# Altium PCB R2C2_Mini.PcbDoc (part 3 of 3)
Units mm, origin at the board's own origin, x right, y up, seen from the top; angles counter-clockwise.
Board outline 100 x 100 mm, 4 copper layers (Top Layer, Mid-Layer 1, Mid-Layer 2, Bottom Layer), stack 1.572 mm thick; 230 components, 186 nets, 773 pads, 549 vias.
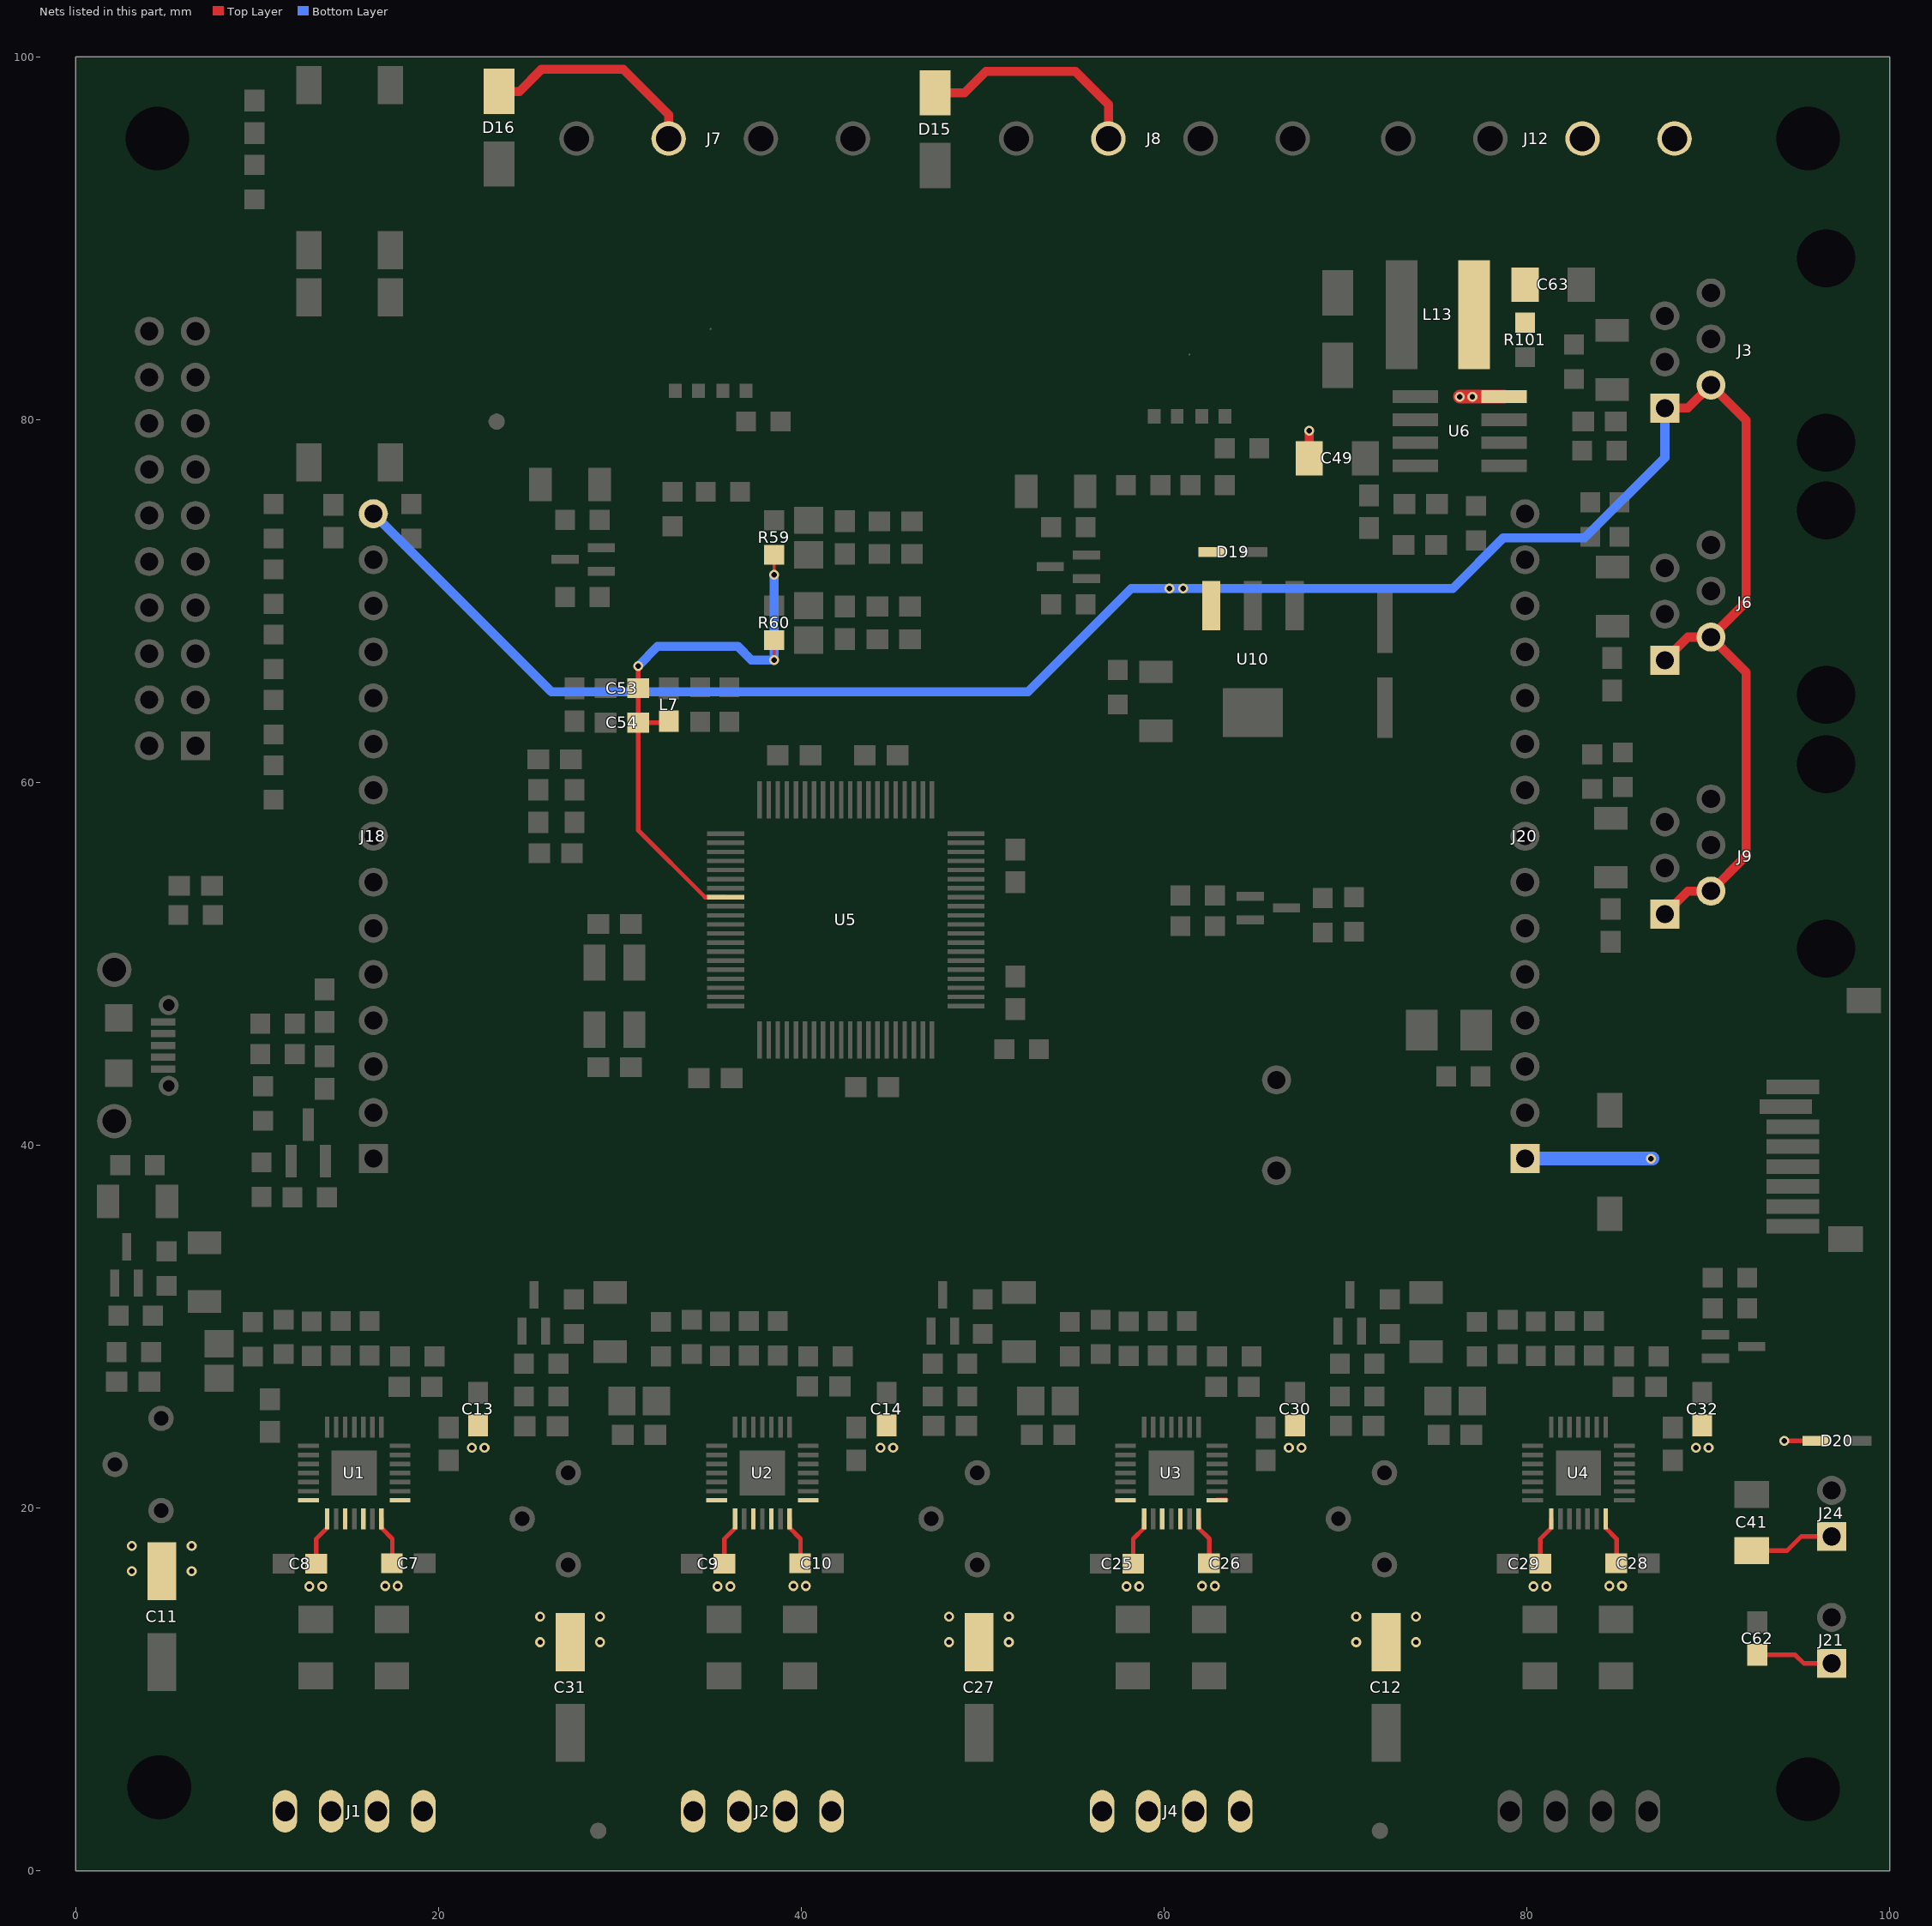
[diagram p5: the nets of this part, all layers, seen from the top]

## Via types
v1: diameter 0.55, hole 0.3, Top Layer to Bottom Layer, tented top, 513 vias
v2: diameter 0.55, hole 0.3, Top Layer to Bottom Layer, 36 vias

## Nets (pads, with @x,y where several pads share a name; then routed paths per layer and width w, separated by ;. In a path a pad name is that pad's centre, name@x,y a point inside that pad or via, vN(x,y) a via of type N, cw(c..) or ccw(c..) an arc to the next point about the centre after c; other vN are vias at no path point) (continued)
V5: C63.2 D19.1 J3.1 J3.2 J6.1 J6.2 J9.1 J9.2 J18.15 L13.2 R101.2 U10.3 | length 123.7
  Top Layer w0.5: J9.1@87.61,52.745 88.88,54.015 J9.2@90.15,54.015 92.1,55.965 92.1,66.065 J6.2@90.15,68.015 ; J6.1@87.61,66.745 88.88,68.015 J6.2@90.15,68.015 ; J3.1@87.61,80.645 88.88,80.645 J3.2@90.15,81.915 92.1,79.965 92.1,69.965 J6.2@90.15,68.015
  Bottom Layer w0.5: J18.15@16.4,74.82 26.22,65 52.5,65 58.2,70.7 v1(61.05,70.7) 75.915,70.7 78.698,73.482 81,73.482 81.29,73.482 83.182,73.482 87.61,77.91 J3.1@87.61,80.645
  other v1: 60.3,70.7
VA3.3: C53.2 C54.2 L7.2 R59.2 R60.2 U5.8 | length 32.2
  Top Layer w0.15: v1(38.5,66.75) R60.2@38.5,67.85 ; v1(38.5,71.45) R59.2@38.5,72.55
  Top Layer w0.25: C53.2@31,65.2 C54.2@31,63.3 ; C53.2@31,65.225 v1(31,66.425) ; L7.2@32.62,63.3 C54.2@31,63.3 ; U5.8@35.825,53.675 34.694,53.675 31,57.369 C54.2@31,63.3
  Bottom Layer w0.5: v1(31,66.425) 32.075,67.5 36.5,67.5 37.25,66.75 v1(38.5,66.75) v1(38.5,71.45)
VMM: C7.1 C8.2 C9.2 C10.2 C11.1 C12.1 C13.2 C14.2 C25.2 C26.2 C27.1 C28.2 C29.2 C30.2 C31.1 C32.2 C41.2 C49.2 C62.2 D15.1 D16.1 D20.1 J7.3 J8.3 J12.1 J12.2 J20.1 J21.1 J24.1 U1.22 U1.28 U2.22 U2.28 U3.22 U3.28 U4.22 U4.28 U6.8 | length 68.5
  Top Layer w0.25: C8.2@13.25,16.925 13.25,18.3 13.85,18.9 U1.22@13.85,19.408 ; U1.28@16.85,19.408 16.85,18.9 17.45,18.3 17.45,16.975 C7.1@17.425,16.95 ; C9.2@35.755,16.925 35.755,18.3 36.355,18.9 U2.22@36.355,19.408 ; U2.28@39.355,19.408 39.355,18.9 39.955,18.3 39.955,16.975 C10.2@39.93,16.95 ; C25.2@58.3,16.925 58.3,18.3 58.9,18.9 U3.22@58.9,19.408 ; U3.28@61.9,19.408 61.9,18.9 62.5,18.3 62.5,16.975 C26.2@62.475,16.95 ; C29.2@80.745,16.925 80.745,18.3 81.345,18.9 U4.22@81.345,19.408 ; U4.28@84.345,19.408 84.345,18.9 84.945,18.3 84.945,16.975 C28.2@84.92,16.95 ; C41.2@92.4,17.65 94.35,17.65 95.13,18.43 J24.1@96.8,18.43 ; C62.2@92.7,11.9 94.8,11.9 95.27,11.43 J21.1@96.8,11.43 ; v1(94.2,23.7) D20.1@95.925,23.7
  Top Layer w0.5: D16.1@23.325,98.1 24.45,98.1 25.675,99.325 30.175,99.325 32.685,96.815 J7.3@32.685,95.5 ; D15.1@47.375,98.025 48.995,98.025 50.17,99.2 55.105,99.2 56.93,97.375 J8.3@56.93,95.5 ; C49.2@68,77.875 v1(68,79.4)
  Top Layer w0.75: v1(76.3,81.27) U6.8@78.75,81.27 ; J20.1@79.9,39.26 J20.1@79.909,39.269
  Bottom Layer w0.75: J20.1@79.9,39.26 v1@86.94,39.26
  other v1: 25.6,12.6 28.9,12.6 48.145,12.6 51.445,12.6 70.59,12.6 73.89,12.6 25.6,14 28.9,14 48.145,14 51.445,14 70.59,14 73.89,14 12.875,15.675 13.575,15.675 35.38,15.675 36.08,15.675 57.925,15.675 58.625,15.675 80.37,15.675 81.07,15.675 17.05,15.7 17.75,15.7 39.555,15.7 40.255,15.7 62.1,15.7 62.8,15.7 84.545,15.7 85.245,15.7 3.085,16.508 6.385,16.508 3.085,17.908 6.385,17.908 21.83,23.325 22.53,23.325 44.356,23.325 45.056,23.325 66.88,23.325 67.58,23.325 89.325,23.325 90.025,23.325 86.84,39.26 77,81.27
X_MOTOR_1A: J1.2 U1.24
X_MOTOR_1B: J1.1 U1.21
X_MOTOR_2A: J1.3 U1.26
X_MOTOR_2B: J1.4 U1.1
Y_MOTOR_1A: J2.2 U2.24
Y_MOTOR_1B: J2.1 U2.21
Y_MOTOR_2A: J2.3 U2.26
Y_MOTOR_2B: J2.4 U2.1
Z_MOTOR_1A: J4.2 U3.24
Z_MOTOR_1B: J4.1 U3.21 | length 0.5
  Top Layer w0.2: U3.21@57.382,20.433 U3.21@57.875,20.433
Z_MOTOR_2A: J4.3 U3.26
Z_MOTOR_2B: J4.4 U3.1 | length 0.5
  Top Layer w0.25: U3.1@62.925,20.433 U3.1@63.416,20.433
pads on no net: J3. J6. J9. J10.1 J10.8 J10.9@98.575,47.975 J11.5@4.814,44.2 J20.15 J22.11 J22.17 J22.19 MH1.0 MH2.0 MH3.0 MH4.0 U1.7 U1.20 U1.25 U2.7 U2.20 U2.25 U3.7 U3.20 U3.25 U4.7 U4.20 U4.25 U5.11 U5.13 U5.15 U6.2 U6.6 X2.2 X2.4

## Polygon pours and split planes (outlines as drawn)
STAR_GND on Mid-Layer 1 "Star_GND" (solid, remove dead copper, pour order 1006): 26.5,99.6 26.5,81.25 30.75,77 50.65,77 69.55,77 74.5,77 82.8,77 83.9,75.9 83.865,40.268 89.6,34.533 89.6,26.6 86.8,23.8 81.4,23.8 72.8,15.2 71.2,15.2 62.2,24.2 58.7,24.2 50,15.5 48.7,15.5 40,24.2 36.9,24.2 28.2,15.5 26.2,15.5 17.4,24.3 11.4,24.3 5.7,18.6 0,18.6 0,0 100,0 100,100 26.9,100
GND_A on Mid-Layer 1 "GND_A" (solid, remove dead copper, pour order 1005): 37.675,75.25 31.25,68.25 26.5,68.25 26.5,65.75 48,65.75 48,75.25 45.75,75.25
GND on Mid-Layer 1 "gnd mid 1" (solid, remove dead copper, pour order 1009): 0,0 100,0 100,100 0,100 0,0
STAR_GND on Top Layer "Top-Star_GND" (solid, remove dead copper, pour order 1016): 26.5,99.6 26.5,81.25 30.35,77.4 82.25,77.4 83.9,75.7 83.865,40.268 89.6,34.533 89.6,26.6 86.8,23.8 79,23.8 76.6,21.4 76.6,19.025 72.775,15.2 71.2,15.2 62.2,24.2 58.7,24.2 50,15.5 48.7,15.5 40,24.2 36.9,24.2 28.2,15.5 26.2,15.5 17.4,24.3 11.4,24.3 5.7,18.6 0,18.6 0,0 100,0 100,100 26.9,100
V3.3 on Top Layer "Top Layer-No Net" (solid, pour order 1003): 64,73.3 64.4,73.7 66.1,73.7 66.5,73.3 66.5,71.6 65.8,70.9 65.8,67.8 67.6,66 69.1,66 69.8,66.7 74.9,66.7 75.8,65.8 75.8,63.1 74.8,62.1 67.6,62.1 67.1,61.6 62.9,61.6 62.4,62.1 62.4,66.2 64,67.8
V5 on Top Layer "Top Layer-No Net" (solid, pour order 1002): 60.338,73.5 59.6,72.8 59.6,68.4 60.232,67.8 63.078,67.8 63.5,68.2 63.5,73 62.973,73.5
STAR_GND on Top Layer "Top-Star_GND" (solid, pour order 1004): 75.5,80.5 76.75,80.5 78.5,80.5 80.25,80.5 80.5,80.25 80.5,79.75 80.25,79.5 79.5,79.5 77.5,79.5 77.25,79.25 77.25,77.25 77.25,77 77.75,76.5 78.25,76 78.25,75.75 78.25,74.75 78,74.5 76.25,74.5 76,74.25 76,73.5 76,72.5 75.75,72.25 74.75,72.25 74.5,72.25 74.25,72.5 74.25,76 75.25,77 75.25,78 75,78.25 73,78.25 72.75,78.25 72.5,78.5 72.5,79 72.75,79.25 74.75,79.25 75,79.25 75.25,79.5 75.25,80.25 75.5,80.5
V5 on Top Layer "top-5V" (solid, pour order 1000): 75.75,84 75.75,90 77.25,91.5 80,91.5 91.75,91.5 93.5,89.75 93.5,87.75 93.5,83.5 90.5,80.5 89.75,80.5 88.75,81.5 88.75,82.25 89.5,83 89.75,83.25 90.5,83.25 91.5,84.25 91.5,86.75 91.5,88.25 90.25,89.5 82,89.5 81.25,88.75 81.25,85.75 81.25,85.5 80.25,84.5 79,84.5 78.5,84 78.5,83 78,82.5 76.5,82.5 76.25,82.5 75.75,83 75.75,84
GND on Top Layer "gnd top" (solid, remove dead copper, pour order 1017): 0,100 0,0 100,0 100,100
VMM on Top Layer "vmm_cap" (solid, remove dead copper, pour order 1014): 5.685,14.408 6.985,15.708 6.985,18.408 6.485,18.908 2.985,18.908 2.485,18.408 2.485,15.708 3.785,14.408
VMM on Top Layer "vmm_cap" (solid, remove dead copper, pour order 1013): 73.19,10.5 74.49,11.8 74.49,14.5 73.99,15 70.49,15 69.99,14.5 69.99,11.8 71.29,10.5
VMM on Top Layer "vmm_cap" (solid, remove dead copper, pour order 1012): 50.745,10.5 52.045,11.8 52.045,14.5 51.545,15 48.045,15 47.545,14.5 47.545,11.8 48.845,10.5
VMM on Top Layer "vmm_cap" (solid, remove dead copper, pour order 1011): 28.2,10.5 29.5,11.8 29.5,14.5 29,15 25.5,15 25,14.5 25,11.8 26.3,10.5
NetD12_1 on Top Layer "top-D12" (solid, pour order 1001): 74.5,89.25 74,89.75 68.5,89.75 67.75,89 67.75,85.75 68.5,85 71.25,85 71.75,84.5 71.75,81.5 72.5,80.75 75,80.75 75.5,81.25 75.5,82 74.5,82.75
STAR_GND on Bottom Layer "Star_GND" (solid, remove dead copper, pour order 1007): 26.5,99.6 26.5,81.25 35.45,72.3 69.667,72.3 78.467,81.1 81.033,81.1 83.865,78.268 83.865,40.268 89.6,34.533 89.6,26.6 86.8,23.8 81.4,23.8 72.8,15.2 71.2,15.2 62.2,24.2 58.7,24.2 50,15.5 48.7,15.5 40,24.2 36.9,24.2 28.2,15.5 26.2,15.5 17.4,24.3 11.4,24.3 5.7,18.6 0,18.6 0,0 100,0 100,100 26.9,100
GND on Bottom Layer "gnd bot" (solid, remove dead copper, pour order 1015): 0,100 0,0 100,0 100,100 0,100
V3.3 on Mid-Layer 2 "v3.3 mid 3" (solid, remove dead copper, pour order 1008): 82.7,76.8 83.7,75.8 83.7,40.2 86.2,37.7 86.2,30.1 81.2,24.3 0.442,24.3 0.41,24.332 0.41,98.99 0.4,99 0.4,99.6 7.5,99.6 15.1,92 15.1,76.5 19.4,72.2 69.8,72.2 74.4,76.8
VMM on Mid-Layer 2 "mid-VMM" (solid, remove dead copper, pour order 1010): 0,100 0,0 99.9,0 100,0.1 100,100

## Keep-outs
Keep-Out Layer:
  the board outline again, w0.5

## Other copper
Top Layer:
  pour cut-out: 5.3,48 5.1,47.8 5.6,47.3 5.6,43.8 10.9,43.8 10.9,48
  region net X_MOTOR_1A: 14.85,18.95 15.25,18.55 15.25,2.2 14.575,1.525 13.575,1.525 13.2,1.9 13.2,7.6 14.725,9.125 14.725,18.95
  region net X_MOTOR_2A: 15.975,18.975 15.875,18.975 15.45,18.55 15.45,2.2 16.125,1.525 17.2,1.525 17.575,1.9 17.575,7.525 15.975,9.125
  region net Y_MOTOR_1A: 37.35,18.95 37.755,18.545 37.755,2.2 37.08,1.525 36.08,1.525 35.705,1.9 35.705,7.6 37.23,9.125 37.23,18.95
  region net Y_MOTOR_2A: 38.48,18.975 38.375,18.975 37.955,18.555 37.955,2.2 38.63,1.525 39.705,1.525 40.08,1.9 40.08,7.525 38.48,9.125
  region net Z_MOTOR_1A: 59.9,18.95 60.3,18.55 60.3,2.2 59.625,1.525 58.625,1.525 58.25,1.9 58.25,7.6 59.775,9.125 59.775,18.95
  region net Z_MOTOR_2A: 61.025,18.975 60.925,18.975 60.5,18.55 60.5,2.2 61.175,1.525 62.25,1.525 62.625,1.9 62.625,7.525 61.025,9.125
  region net V3.3: 31.26,26.7 33.985,26.7 34.36,26.325 34.36,25.475 33.985,25.1 31.26,25.1
  region net V3.3: 53.805,26.7 56.53,26.7 56.905,26.325 56.905,25.475 56.53,25.1 53.805,25.1
  region net V3.3: 7.1,25.3 8.8,23.6 11.3,23.6 11.4,23.7 11.4,24.8 11.3,24.9 10.3,24.9 8.7,26.5 8.7,27.6 7.1,27.6
  region net V3.3: 76.25,26.7 78.975,26.7 79.35,26.325 79.35,25.475 78.975,25.1 76.25,25.1
  region net VMM: 21.624,25.15 22.724,25.15 22.724,23.706 22.905,23.525 22.905,22.9 22.805,22.8 21.555,22.8 21.455,22.9 21.455,23.525 21.63,23.7 21.624,23.706
  region net VMM: 44.15,25.15 45.25,25.15 45.25,23.706 45.431,23.525 45.431,22.9 45.331,22.8 44.081,22.8 43.981,22.9 43.981,23.525 44.156,23.7 44.15,23.706
  region net VMM: 66.674,25.15 67.774,25.15 67.774,23.706 67.955,23.525 67.955,22.9 67.855,22.8 66.605,22.8 66.505,22.9 66.505,23.525 66.68,23.7 66.674,23.706
  region net VMM: 89.119,25.15 90.219,25.15 90.219,23.706 90.4,23.525 90.4,22.9 90.3,22.8 89.05,22.8 88.95,22.9 88.95,23.525 89.125,23.7 89.119,23.706
  region net Z_MOTOR_2B: 63.5,20.55 66.7,17.35 66.7,3.725 64.5,1.525 63.6,1.525 63.25,1.875 63.25,4.85 65.7,7.3 65.7,17.051 62.35,20.375 62.35,20.5 62.4,20.55
  region net VMM: 63.1,17.5 63.1,15.5 62.9,15.3 62,15.3 61.8,15.5 61.8,17.425 61.875,17.5
  region net VMM: 58.925,17.475 58.925,15.475 58.725,15.275 57.825,15.275 57.625,15.475 57.625,17.4 57.7,17.475
  region net STAR_GND: 57.125,17.475 57.125,15.475 56.925,15.275 56.025,15.275 55.825,15.475 55.825,17.4 55.9,17.475
  region net STAR_GND: 64.9,17.5 64.9,15.5 64.7,15.3 63.8,15.3 63.6,15.5 63.6,17.425 63.675,17.5
  region net Z_MOTOR_1B: 58.4,20.55 58.45,20.5 58.45,20.375 55.05,16.975 55.05,7.05 57.55,4.55 57.55,1.9 57.175,1.525 56.225,1.525 54.05,3.7 54.05,17.25 57.35,20.55
  region net Y_MOTOR_1B: 35.855,20.55 35.905,20.5 35.905,20.375 32.505,16.975 32.505,7.05 35.005,4.55 35.005,1.9 34.63,1.525 33.68,1.525 31.505,3.7 31.505,17.25 34.805,20.55
  region net Y_MOTOR_2B: 40.955,20.55 44.155,17.35 44.155,3.725 41.955,1.525 41.055,1.525 40.705,1.875 40.705,4.85 43.155,7.3 43.155,17.051 39.805,20.375 39.805,20.5 39.855,20.55
  region net STAR_GND: 42.355,17.5 42.355,15.5 42.155,15.3 41.255,15.3 41.055,15.5 41.055,17.425 41.13,17.5
  region net STAR_GND: 34.58,17.475 34.58,15.475 34.38,15.275 33.48,15.275 33.28,15.475 33.28,17.4 33.355,17.475
  region net VMM: 36.38,17.475 36.38,15.475 36.18,15.275 35.28,15.275 35.08,15.475 35.08,17.4 35.155,17.475
  region net VMM: 40.555,17.5 40.555,15.5 40.355,15.3 39.455,15.3 39.255,15.5 39.255,17.425 39.33,17.5
  region net STAR_GND: 87.345,17.5 87.345,15.5 87.145,15.3 86.245,15.3 86.075,15.47 86.075,17.455 86.12,17.5
  region net STAR_GND: 79.57,17.475 79.57,15.475 79.37,15.275 78.47,15.275 78.27,15.475 78.27,17.4 78.345,17.475
  region net VMM: 81.37,17.475 81.37,15.475 81.17,15.275 80.27,15.275 80.05,15.495 80.05,17.38 80.145,17.475
  region net VMM: 85.525,17.5 85.525,15.48 85.345,15.3 84.445,15.3 84.245,15.5 84.245,17.425 84.32,17.5
  region net E1_MOTOR_1B: 80.845,20.55 80.895,20.5 80.895,20.375 77.495,16.975 77.495,7.05 79.995,4.55 79.995,1.9 79.62,1.525 78.67,1.525 76.495,3.7 76.495,17.25 79.795,20.55
  region net E1_MOTOR_2B: 85.945,20.55 89.145,17.35 89.145,3.725 86.945,1.525 86.045,1.525 85.695,1.875 85.695,4.85 88.145,7.3 88.145,17.051 84.795,20.375 84.795,20.5 84.845,20.55
  region net E1_MOTOR_2A: 83.47,18.975 83.375,18.975 82.945,18.545 82.945,2.2 83.62,1.525 84.695,1.525 85.07,1.9 85.07,7.525 83.47,9.125
  region net E1_MOTOR_1A: 82.35,18.95 82.745,18.555 82.745,2.2 82.07,1.525 81.07,1.525 80.695,1.9 80.695,6.3 80.7,6.305 80.7,7.605 82.22,9.125 82.22,18.95
  region net X_MOTOR_1B: 13.315,20.475 13.365,20.425 13.365,20.3 9.965,16.9 9.965,6.975 12.465,4.475 12.465,1.825 12.09,1.45 11.14,1.45 9.125,3.475 9.123,4.005 9.147,4.365 9.162,4.61 9.125,5.3 8.975,5.975 8.975,17.175 12.265,20.475
  region net X_MOTOR_2B: 18.415,20.475 21.615,17.275 21.615,3.65 19.415,1.45 18.515,1.45 18.165,1.8 18.165,4.775 20.615,7.225 20.615,16.976 17.265,20.3 17.265,20.425 17.315,20.475
  region net STAR_GND: 19.85,17.5 19.85,15.5 19.65,15.3 18.75,15.3 18.55,15.5 18.55,17.425 18.625,17.5
  region net STAR_GND: 12.075,17.475 12.075,15.475 11.875,15.275 10.975,15.275 10.775,15.475 10.775,17.4 10.85,17.475
  region net VMM: 13.875,17.475 13.875,15.475 13.675,15.275 12.775,15.275 12.575,15.475 12.575,17.4 12.65,17.475
  region net VMM: 18.05,17.5 18.05,15.5 17.85,15.3 16.95,15.3 16.75,15.5 16.75,17.425 16.825,17.5
  region net HEAT_EXT: 67.5,81.1 67.5,91.8 66.8,92.5 55.8,92.5 54.5,93.8 54.5,97.3 53.7,98.1 51.251,98.1 50.5,97.349 50.5,81.1
  region net HEAT_BED: 44.3,82.513 44.3,91 41.5,93.8 30.8,93.8 30.4,94.2 30.4,96.8 29.6,97.6 27.3,97.6 26.5,96.8 26.5,82.513
  pour cut-out: 71.9,0.8 cw(c71.9,2.2) 70.5,2.2 cw(c71.9,2.2) 71.9,3.6 cw(c71.9,2.2) 73.3,2.2 cw(c71.9,2.2)
  pour cut-out: 28.8,0.8 cw(c28.8,2.2) 27.4,2.2 cw(c28.8,2.2) 28.8,3.6 cw(c28.8,2.2) 30.2,2.2 cw(c28.8,2.2)
  pour cut-out: 23.2,78.5 cw(c23.2,79.9) 21.8,79.9 cw(c23.2,79.9) 23.2,81.3 cw(c23.2,79.9) 24.6,79.9 cw(c23.2,79.9)
  text ".layer_Name" at -6.3,-19.125 h3
Mid-Layer 1:
  rectangle net STAR_GND: 66.475,76.975 69.775,78.075
  rectangle net GND: 66.475,75.9 69.775,77
  rectangle net STAR_GND: 71,94 80,97
  region net STAR_GND: 39.155,23.6 39.455,23.3 39.455,20.6 39.155,20.3 36.555,20.3 36.255,20.6 36.255,23.3 36.555,23.6
  region net STAR_GND: 61.7,23.6 62,23.3 62,20.6 61.7,20.3 59.1,20.3 58.8,20.6 58.8,23.3 59.1,23.6
  region net STAR_GND: 84.145,23.6 84.445,23.3 84.445,20.6 84.145,20.3 81.545,20.3 81.245,20.6 81.245,23.3 81.545,23.6
  region net STAR_GND: 16.655,23.6 16.955,23.3 16.955,20.6 16.655,20.3 14.055,20.3 13.755,20.6 13.755,23.3 14.055,23.6
  text ".layer_Name" at -5.825,-19.125 h3
Mid-Layer 2:
  text ".layer_Name" at -5.825,-19.125 h3
Bottom Layer:
  region net HEAT_EXT: 60.9,81.1 70.4,81.05 70.4,90.6 68.5,92.5 53.4,92.5 52.9,92 52.9,81.1
  region net HEAT_BED: 44.3,82.5 44.3,91 41.5,93.8 30.8,93.8 30.4,94.2 30.4,96.8 29.062,98.138 24.388,98.138 23.1,96.85 23.1,82.5
  region net STAR_GND: 61.7,23.6 62,23.3 62,20.6 61.7,20.3 59.1,20.3 58.8,20.6 58.8,23.3 59.1,23.6
  region net STAR_GND: 84.145,23.6 84.445,23.3 84.445,20.6 84.145,20.3 81.545,20.3 81.245,20.6 81.245,23.3 81.545,23.6
  region net STAR_GND: 39.155,23.6 39.455,23.3 39.455,20.6 39.155,20.3 36.555,20.3 36.255,20.6 36.255,23.3 36.555,23.6
  region net STAR_GND: 16.655,23.6 16.955,23.3 16.955,20.6 16.655,20.3 14.055,20.3 13.755,20.6 13.755,23.3 14.055,23.6
  text ".layer_Name" at -5.65,-19.2 h3

## Silkscreen, mask and mechanical layers (free items; w line width, h text height)
Top Overlay:
  text "-" at 72.4,91 h1.4 r180
  text "-" at 75.2,91 h1.4 r180
  text "-" at 77.6,91 h1.4 r180
  text "+" at 80.5,90.7 h1.4 r180
  text "+" at 82.8,90.7 h1.4 r180
  text "+" at 85.3,90.7 h1.4 r180
  text "Reset" at 20.9,89.8 h2 r90
  text "- RL +       NTC" at 27,89.5 h1
  text "- RL +        NTC" at 49.5,89.5 h1
  text "Bed" at 34,88.5 h1.4
  text "Extruder" at 54.9,87.4 h1.4
  text "X" at 85.9,87.4 h1.5 r90
  text "Boot" at 20.8,79 h2 r90
  text "Y" at 83,70.5 h1.5 r90
  text "Z" at 83.25,56.75 h1.5 r90
  text "R2C2 MINI" at 20.097,35.651 h2
  text "X" at 21.5,0.5 h4
  text "Y" at 43.8,0.5 h4
  text "Z" at 66.5,0.5 h4
  text "E" at 73.9,0.5 h4
  text ".layer_Name" at -5.825,-19.125 h3
Bottom Overlay:
  text "-" at 28.255,92.5 h1.52
  text "+" at 33.255,92.5 h1.52
  text "-" at 52.5,92.5 h1.52
  text "+" at 57.5,92.5 h1.52
  text "-" at 73.555,92.5 h1.52
  text "-" at 78.555,92.5 h1.52
  text "+" at 83.715,92.5 h1.52
  text "+" at 88.715,92.5 h1.52
  text "Power In" at 85.25,89.95 h1.52
  text "Extruder" at 64.075,89.85 h1.52
  text "Heat Bed" at 40.525,89.7 h1.52
  text "Based On" at 52.575,55.125 h1.52
  text "R2C2" at 53.85,47.55 h10
  text "by FMendes75@gmail.com" at 53.85,44.25 h1.5
  text "www.3dprinting-r2c2.com" at 53.85,42.85 h1.5
  text "Creative Commons BY-NC-SA" at 53.85,41.45 h1.5
  text "Re-Designed by" at 56.3,38.3 h1.52
  text "Bryan Lambrecht" at 56.4,35.5 h1.52
  text "Bryan.lambrecht@gmail.com" at 64.1,32.8 h1.52
  text ".layer_Name" at -5.825,-19.125 h3
Top Paste:
  text ".layer_Name" at -5.925,-19.125 h3
Bottom Paste:
  text ".layer_Name" at -5.925,-19.025 h3
Top Solder:
  text ".layer_Name" at -5.925,-19.125 h3
Bottom Solder:
  text ".layer_Name" at -5.75,-19.2 h3
board_outline:
  the board outline again, w0.254
  text ".layer_Name" at -5.825,-18.55 h3
title_block:
  lines w0.025: -23.689,-29.77 ccw(c-16.069,-29.77) -16.069,-37.39 ; -23.689,-29.77 ccw(c-16.069,-29.77) -16.069,-37.39 ; -23.689,-29.77 -23.689,-14.53 ; -23.689,-29.77 -23.689,-14.53 ; -23.689,-14.53 cw(c-16.069,-14.53) -16.069,-6.91 ; -23.689,-14.53 cw(c-16.069,-14.53) -16.069,-6.91 ; -23.689,-14.53 128.711,-14.53 ; -23.689,-14.53 128.711,-14.53 ; -16.069,-37.39 121.091,-37.39 ; -16.069,-37.39 121.091,-37.39 ; -16.069,-6.91 121.091,-6.91 ; -16.069,-6.91 121.091,-6.91 ; 121.091,-37.39 ccw(c121.091,-29.77) 128.711,-29.77 ; 121.091,-37.39 ccw(c121.091,-29.77) 128.711,-29.77 ; 121.091,-6.91 cw(c121.091,-14.53) 128.711,-14.53 ; 121.091,-6.91 cw(c121.091,-14.53) 128.711,-14.53 ; 128.711,-29.77 128.711,-14.53 ; 128.711,-29.77 48.701,-29.77 128.711,-29.77 ; 128.711,-29.77 128.711,-14.53 ; -23.689,-22.15 128.711,-22.15 -23.689,-22.15 ; 35.366,-14.53 35.366,-6.91 35.366,-14.53 ; 48.701,-37.39 48.701,-22.15 48.701,-37.39 ; 84.261,-22.15 84.261,-14.53 84.261,-22.15 ; 89.341,-37.39 89.341,-29.77 89.341,-37.39 ; 116.646,-22.15 116.646,-14.53 116.646,-22.15
  text "PWB, R2C2 MINI" at 64.009,-12.089 h3
  text "CUST PART NUMBER" at 89.262,-16.816 h1.6
  text "REV" at 120.442,-16.816 h1.6
  text "LAYER:" at -21.784,-19.61 h2.54
  text "A" at 121.447,-20.529 h2.54
  text "R2C2 MINI" at 92,-20.75 h2.4
  text "R2C2" at 23,-30.5 h10
  text "DATE" at 107.102,-32.183 h1.6
  text "8/22/2015" at 98.231,-36.12 h2.54
Mechanical 11:
  lines w1.553: 11.535,2.775 11.535,3.775 ; 14.075,2.775 14.075,3.775 ; 16.615,2.775 16.615,3.775 ; 19.155,2.775 19.155,3.775 ; 34.04,2.775 34.04,3.775 ; 36.58,2.775 36.58,3.775 ; 39.12,2.775 39.12,3.775 ; 41.66,2.775 41.66,3.775 ; 79.03,2.775 79.03,3.775 ; 81.57,2.775 81.57,3.775 ; 84.11,2.775 84.11,3.775 ; 86.65,2.775 86.65,3.775
Mechanical 13:
  drawing of 197 lines, arcs and shapes, not listed
  text "DWG. NO." at 202.475,178.285 h1.27
  text "REV." at 241.845,178.285 h1.27
  text "R2C2-MINI-ASY" at 203.023,175.19 h2.3
  text "A" at 244.055,175.11 h2.41
  text "8" at -81.599,175.047 h3.96
  text "7" at -30.799,175.047 h3.96
  text "6" at 20.001,175.047 h3.96
  text "5" at 70.801,175.047 h3.96
  text "4" at 121.601,175.047 h3.96
  text "3" at 172.401,175.047 h3.96
  text "1" at 274.001,175.047 h3.96
  text "REVISIONS" at 253.275,170.665 h1.27
  text "REV" at 217.715,166.855 h1.27
  text "DESCRIPTION" at 239.94,166.855 h1.27
  text "APPROVED" at 275.5,166.855 h1.27
  text "DATE" at 292.01,166.855 h1.27
  text "8/22/2015" at 289.273,163.965 h1.27
  text "A" at 219.112,163.68 h1.27
  text "INITIAL RELEASE" at 222.795,163.68 h1.27
  text "D" at -108.906,140.757 h3.96
  text "D" at 301.306,140.757 h3.96
  text "C" at -108.906,77.257 h3.96
  text "C" at 301.306,77.257 h3.96
  text "DWG. NO." at 304.71,31.6 h1.27 r270
  text "R2C2-MINI-ASY" at 301.723,30.44 h2.3 r270
  text "B" at -108.906,13.756 h3.96
  text "REV." at 304.71,-7.77 h1.27 r270
  text "A" at 301.535,-10.31 h2.41 r270
  text "UNLESS OTHERWISE SPECIFIED" at 171.36,-39.52 h1.27
  text "PROJECT:" at 207.555,-39.52 h1.27
  text "DIMENSIONS ARE IN MILLIMETER." at 171.36,-41.425 h1.27
  text "TOLERANCES ARE:" at 171.36,-43.965 h1.27
  text "FRACTIONS DECIMALS  ANGLES" at 171.995,-46.505 h1.27
  text "APPROVALS" at 210.73,-47.775 h1.27
  text "DATE" at 229.145,-47.775 h1.27
  text "+" at 188.919,-49.081 h1.27
  text "+" at 188.919,-49.081 h1.27
  text ".XX      0.01" at 183.425,-49.68 h1.27
  text "-" at 188.919,-49.68 h1.27
  text "-" at 188.919,-49.68 h1.27
  text "A" at -108.906,-49.743 h3.96
  text "A" at 301.306,-49.743 h3.96
  text "O" at 204.38,-50.315 h0.64
  text "O" at 204.38,-50.315 h0.64
  text "DRAWN BY:" at 207.555,-50.315 h1.27
  text "+" at 173.661,-50.986 h1.27
  text "+" at 173.661,-50.986 h1.27
  text "+" at 188.919,-50.98 h1.27
  text "+" at 188.919,-50.98 h1.27
  text "+" at 199.12,-50.986 h1.27
  text "+" at 199.12,-50.986 h1.27
  text "-" at 173.661,-51.585 h1.27
  text "-" at 173.661,-51.585 h1.27
  text "N/A" at 175.805,-51.585 h1.27
  text ".XXX     0.005" at 183.425,-51.585 h1.27
  text "-" at 188.919,-51.58 h1.27
  text "-" at 188.919,-51.58 h1.27
  text "-" at 199.12,-51.585 h1.27
  text "-" at 199.12,-51.585 h1.27
  text "0.5" at 200.57,-51.585 h1.27
  text "TITLE:" at 236.765,-52.22 h1.27
  text "8/22/2015" at 225.843,-53.236 h1.27
  text "MATERIAL:" at 171.36,-54.76 h1.27
  text "PWA DRAWING," at 254.426,-56.03 h3.2
  text "CHECKED:" at 207.555,-58.57 h1.27
  text "R2C2 MINI" at 257.024,-61.637 h2.54
  text "APPROVED:" at 207.555,-64.285 h1.27
  text "SIZE:" at 236.765,-65.555 h1.27
  text "DRAWING NO:" at 251.37,-65.555 h1.27
  text "REV:" at 293.915,-65.555 h1.27
  text "FINISH:" at 171.36,-66.825 h1.27
  text "THIRD ANGLE" at 130.72,-69.365 h1.27
  text "ISSUED:" at 207.555,-70 h1.27
  text "PROJECTION" at 131.355,-71.27 h1.27
  text "B" at 238.67,-71.905 h3.2
  text "A" at 295.81,-71.905 h3.2
  text "R2C2-MINI-ASY" at 253.543,-72.143 h3.2
  text "NEXT ASSY" at 145.96,-76.35 h1.27
  text "USED ON" at 159.93,-76.35 h1.27
  text "1/1" at 246.29,-78.255 h1.27
  text "SHEET:   OF" at 283.12,-78.255 h1.27
  text "1" at 290.105,-78.255 h1.27
  text "1" at 298.487,-78.255 h1.27
  text "SCALE:" at 236.511,-78.437 h1.27
  text "APPLICATION" at 150.405,-78.89 h1.27
  text "DO NOT SCALE DRAWING" at 178.98,-78.89 h1.27
  text "8" at -81.599,-84.034 h3.96
  text "7" at -30.799,-84.034 h3.96
  text "6" at 20.001,-84.034 h3.96
  text "5" at 70.801,-84.034 h3.96
  text "4" at 121.601,-84.034 h3.96
  text "3" at 172.401,-84.034 h3.96
  text "2" at 223.201,-84.034 h3.96
  text "1" at 274.001,-84.669 h3.96
Drill Drawing:
  drawing of 709 lines, arcs and shapes, not listed
  text "DWG. NO." at 202.475,178.285 h1.27
  text "REV." at 241.845,178.285 h1.27
  text "R2C2-MINI-FAB" at 203.023,175.19 h2.3
  text "A" at 244.055,175.11 h2.41
  text "8" at -81.599,175.047 h3.96
  text "7" at -30.799,175.047 h3.96
  text "6" at 20.001,175.047 h3.96
  text "5" at 70.801,175.047 h3.96
  text "4" at 121.601,175.047 h3.96
  text "3" at 172.401,175.047 h3.96
  text "1" at 274.001,175.047 h3.96
  text "REVISIONS" at 253.275,170.665 h1.27
  text "REV" at 217.715,166.855 h1.27
  text "DESCRIPTION" at 239.94,166.855 h1.27
  text "APPROVED" at 275.5,166.855 h1.27
  text "DATE" at 292.01,166.855 h1.27
  text "8/22/2015" at 289.273,163.965 h1.27
  text "A" at 219.112,163.68 h1.27
  text "INITIAL RELEASE" at 222.795,163.68 h1.27
  text "Symbol" at -85.814,161.843 h1.83
  text "Hit Count" at -72.965,161.843 h1.83
  text "Finished Hole Size" at -55.24,161.843 h1.83
  text "Plated" at -21.062,161.843 h1.83
  text "Hole Type" at -8.213,161.843 h1.83
  text "2" at -72.965,158.033 h1.52
  text "0.650mm (25.59mil)" at -55.24,158.033 h1.52
  text "PTH" at -21.062,158.033 h1.52
  text "Round" at -8.213,158.033 h1.52
  text "2" at -72.965,154.223 h1.52
  text "1.300mm (51.18mil)" at -55.24,154.223 h1.52
  text "PTH" at -21.062,154.223 h1.52
  text "Round" at -8.213,154.223 h1.52
  text "4" at -72.965,150.413 h1.52
  text "3.500mm (137.80mil)" at -55.24,150.413 h1.52
  text "NPTH" at -21.062,150.413 h1.52
  text "Round" at -8.213,150.413 h1.52
  text "6" at -72.965,146.603 h1.52
  text "3.200mm (125.98mil)" at -55.24,146.603 h1.52
  text "NPTH" at -21.062,146.603 h1.52
  text "Round" at -8.213,146.603 h1.52
  text "12" at -72.965,142.793 h1.52
  text "0.800mm (31.50mil)" at -55.24,142.793 h1.52
  text "PTH" at -21.062,142.793 h1.52
  text "Round" at -8.213,142.793 h1.52
  text "D" at -108.906,140.757 h3.96
  text "D" at 301.306,140.757 h3.96
  text "NOTES: UNLESS OTHERWISE SPECIFIED" at 173.313,139.77 h1.6
  text "12" at -72.965,138.983 h1.52
  text "1.400mm (55.12mil)" at -55.24,138.983 h1.52
  text "PTH" at -21.062,138.983 h1.52
  text "Round" at -8.213,138.983 h1.52
  text "1.  INTERPRET THIS DRAWING IN ACCORDANCE WITH IPC-D-325A." at 173.313,135.96 h1.6
  text "16" at -72.965,135.173 h1.52
  text "1.100mm (43.31mil)" at -55.24,135.173 h1.52
  text "PTH" at -21.062,135.173 h1.52
  text "Round" at -8.213,135.173 h1.52
  text "2.  BOARD FABRICATION AND QUALITY PER IPC-6012, CLASS 2," at 173.313,132.785 h1.6
  text "74" at -72.965,131.363 h1.52
  text "1.000mm (39.37mil)" at -55.24,131.363 h1.52
  text "PTH" at -21.062,131.363 h1.52
  text "Round" at -8.213,131.363 h1.52
  text "EXCEPT AS SPECIFIED HEREIN." at 179.663,130.245 h1.6
  text "549" at -72.965,127.553 h1.52
  text "0.300mm (11.81mil)" at -55.24,127.553 h1.52
  text "PTH" at -21.062,127.553 h1.52
  text "Round" at -8.213,127.553 h1.52
  text "3.  DIMENSIONAL LIMITS APPLY AFTER PLATING OR COATING." at 173.313,127.07 h1.6
  text "4.  BOARD THICKNESS SHALL BE 1.57 +/-10%." at 173.313,123.895 h1.6
  text "677 Total" at -72.965,123.743 h1.52
  text "5.  BOW AND TWIST MAXIMUM 1.0%." at 173.313,120.72 h1.6
  text "6.  ALL HOLES SHALL BE LOCATED WITHIN 0.200 DIAMETER OF" at 173.313,117.545 h1.6
  text "TRUE POSITION OF LOCATION SHOWN." at 179.663,115.005 h1.6
  text "7   MATERIAL: METAL CLAD EPOXY LAMINATE PER IPC-4101A, (170 DEGREES C MIN. Tg)," at 173.313,111.83 h1.6
  text "UL 94V-0. ELECTRODEPOSITED COPPER FOIL, COPPER WEIGHT PER STACKUP DRAWING." at 178.045,109.675 h1.6
  text "8   MATERIAL: SILKSCREEN PER SUPPLIED ARTWORK WITH WHITE EPOXY" at 173.313,106.115 h1.6
  text "INK. SILKSCREEN MAY BE TRIMMED OFF ANY SOLDERED ENTITY." at 179.663,103.575 h1.6
  text "9.  NUMBER OF LAYERS: 4 PER SUPPLIED ARTWORK." at 173.313,100.4 h1.6
  text "A. DEFAULT TRACE/SPACE OUTER LAYERS = 0.15/0.15" at 177.123,97.225 h1.6
  text "B. DEFAULT TRACE/SPACE INNER LAYERS = 0.15/0.15" at 177.123,94.05 h1.6
  text "C. CONDUCTOR WIDTH TOLERANCE +/- .025" at 177.123,90.875 h1.6
  text "10. COPPER PLATE HOLES MINIMUM .025 AVG, .020 MIN.. HOLES MAY NOT BE" at 173.313,87.7 h1.6
  text "PLUGGED, EXCEPT VIAS .400 FINISH OR SMALLER." at 179.663,85.16 h1.6
  text "11  FINISH: THIS BOARD SHALL BE IMMERSION GOLD PLATED ACCORDING TO IPC-6012." at 173.186,82.036 h1.6
  text "THICKNESS SHALL BE .050uM OVER 3-6uM NICKEL." at 179.536,79.496 h1.6
  text "C" at -108.906,77.257 h3.96
  text "C" at 301.306,77.257 h3.96
  text "12  SOLDERMASK BOTH SIDES WITH LIQUID PHOTO IMAGEABLE (LPI), PER" at 173.313,76.27 h1.6
  text "IPC-SM-840C, CLASS T, COLOR: BLUE." at 179.663,73.73 h1.6
  text "13. MINIMUM ANNULAR RING: .025 INTERNAL, .050 EXTERNAL." at 173.313,70.555 h1.6
  text "50% BREAKOUT PERMITTED PROVIDED ELECTRICAL FUNCTION" at 179.663,68.015 h1.6
  text "IS MAINTAINED AND BREAKOUT IS NOT AT JUNCTION." at 179.663,65.475 h1.6
  text "14. VENDOR MAY REMOVE ALL NON FUNCTIONAL PADS FROM THE" at 173.313,62.3 h1.6
  text "INTERNAL SIGNAL LAYERS." at 179.663,59.76 h1.6
  text "15. VENDOR MAY ADD TEARDROP TO INTERNAL SIGNAL LAYERS" at 173.113,56.73 h1.6
  text "AT FUNCTIONAL PAD JUNCTION." at 179.463,54.19 h1.6
  text "16. LOCATE VENDOR MARKINGS AND DATE CODE ON SOLDER SIDE" at 173.113,51.015 h1.6
  text "FREE FROM ANY METAL ENTITY." at 179.463,48.475 h1.6
  text "17. BAREBOARD ELECTRICAL TEST TO BE DONE WITH REFERENCE TO" at 173.113,44.665 h1.6
  text "SUPPLIED NETLIST." at 179.463,42.125 h1.6
  text "18. TEST COUPONS AND SERIALIZATION NOT REQUIRED." at 173.14,39.22 h1.6
  text "19. MUST COMPLY WITH EUROPEAN DIRECTIVE 2002/95/EC (RoHS)." at 172.64,35.72 h1.6
  text "20. DETAILS NOT SPECIFIED ARE AT MANUFACTURER'S OPTION" at 172.505,32.322 h1.6
  text "DWG. NO." at 304.71,31.6 h1.27 r270
  text "R2C2-MINI-FAB" at 301.723,30.44 h2.3 r270
  text "B" at -108.906,13.756 h3.96
  text "REV." at 304.71,-7.77 h1.27 r270
  text "A" at 301.535,-10.31 h2.41 r270
  text "PRIMARY SIDE" at 4.501,-25.623 h1.6
  text "LAYER 1 TOP, 1.5 OZ FINISHED" at 1.367,-33.591 h1.6
  text "CORE" at 1.8,-37.2 h1.6
  text "UNLESS OTHERWISE SPECIFIED" at 171.36,-39.52 h1.27
  text "PROJECT:" at 207.555,-39.52 h1.27
  text "LAYER 2 GND PLANE, 1 OZ" at 1.367,-40.074 h1.6
  text "DIMENSIONS ARE IN MILS." at 171.36,-41.425 h1.27
  text "1.57MM" at -92.627,-42.335 h1.6
  text "PREPREG" at 1.387,-42.959 h1.6
  text "TOLERANCES ARE:" at 171.36,-43.965 h1.27
  text "10%" at -90.627,-45.193 h1.6
  text "FRACTIONS DECIMALS  ANGLES" at 171.995,-46.505 h1.27
  text "LAYER 3 pOWER PLANE, 1 OZ" at 1.367,-46.591 h1.6
  text "APPROVALS" at 210.73,-47.775 h1.27
  text "DATE" at 229.145,-47.775 h1.27
  text "+" at 188.919,-49.081 h1.27
  text "+" at 188.919,-49.081 h1.27
  text ".XX      0.01" at 183.425,-49.68 h1.27
  text "-" at 188.919,-49.68 h1.27
  text "-" at 188.919,-49.68 h1.27
  text "A" at -108.906,-49.743 h3.96
  text "A" at 301.306,-49.743 h3.96
  text "CORE" at 1.8,-50.2 h1.6
  text "O" at 204.38,-50.315 h0.64
  text "O" at 204.38,-50.315 h0.64
  text "DRAWN BY:" at 207.555,-50.315 h1.27
  text "+" at 173.661,-50.986 h1.27
  text "+" at 173.661,-50.986 h1.27
  text "+" at 188.919,-50.98 h1.27
  text "+" at 188.919,-50.98 h1.27
  text "+" at 199.12,-50.986 h1.27
  text "+" at 199.12,-50.986 h1.27
  text "-" at 173.661,-51.585 h1.27
  text "-" at 173.661,-51.585 h1.27
  text "N/A" at 175.805,-51.585 h1.27
  text ".XXX     0.005" at 183.425,-51.585 h1.27
  text "-" at 188.919,-51.58 h1.27
  text "-" at 188.919,-51.58 h1.27
  text "-" at 199.12,-51.585 h1.27
  text "-" at 199.12,-51.585 h1.27
  text "0.5" at 200.57,-51.585 h1.27
  text "TITLE:" at 236.765,-52.22 h1.27
  text "LAYER 4 BOTTOM, 1.5 OZ FINISHED" at 1.367,-53.074 h1.6
  text "8/22/2015" at 225.843,-53.236 h1.27
  text "MATERIAL:" at 171.36,-54.76 h1.27
  text "PWB DRAWING," at 254.426,-56.03 h3.2
  text "CHECKED:" at 207.555,-58.57 h1.27
  text "7" at 178.98,-59.84 h1.91
  text "8" at 187.235,-59.84 h1.91
  text "12" at 196.125,-59.84 h1.91
  text "SECTION A-A" at -47.053,-59.877 h1.6
  text "SECONDARY SIDE" at 6.296,-61.62 h1.6
  text "R2C2-MINI" at 257.024,-61.637 h2.54
  text "SCALE: NONE" at -46.667,-62.173 h1.6
  text "APPROVED:" at 207.555,-64.285 h1.27
  text "(X-SECTION VIEW / 4 LAYER BOARD)" at -62.8,-65.2 h1.6
  text "SIZE:" at 236.765,-65.555 h1.27
  text "DRAWING NO:" at 251.37,-65.555 h1.27
  text "REV:" at 293.915,-65.555 h1.27
  text "FINISH:" at 171.36,-66.825 h1.27
  text "THIRD ANGLE" at 130.72,-69.365 h1.27
  text "ISSUED:" at 207.555,-70 h1.27
  text "PROJECTION" at 131.355,-71.27 h1.27
  text "11" at 186.6,-71.27 h1.91
  text "B" at 238.67,-71.905 h3.2
  text "A" at 295.81,-71.905 h3.2
  text "R2C2-MINI-FAB" at 253.543,-72.143 h3.2
  text "NEXT ASSY" at 145.96,-76.35 h1.27
  text "USED ON" at 159.93,-76.35 h1.27
  text "1/1" at 246.29,-78.255 h1.27
  text "SHEET:   OF" at 283.12,-78.255 h1.27
  text "1" at 290.105,-78.255 h1.27
  text "1" at 298.487,-78.255 h1.27
  text "SCALE:" at 236.511,-78.437 h1.27
  text "APPLICATION" at 150.405,-78.89 h1.27
  text "DO NOT SCALE DRAWING" at 178.98,-78.89 h1.27
  text "8" at -81.599,-84.034 h3.96
  text "7" at -30.799,-84.034 h3.96
  text "6" at 20.001,-84.034 h3.96
  text "5" at 70.801,-84.034 h3.96
  text "4" at 121.601,-84.034 h3.96
  text "3" at 172.401,-84.034 h3.96
  text "2" at 223.201,-84.034 h3.96
  text "1" at 274.001,-84.669 h3.96

## Dimensions
0,100 to 0,0 on Drill Drawing
0,100 to 100,100 on Drill Drawing

## Text inside footprints (layer, text, board x,y; h text height)
J11: Top Overlay "1" at 6.5,49.4 h1.27; Top Overlay "5" at 6.5,40.5 h1.27; Mechanical 13 "PCB edge" at -0.786,35.1 h1.27 r270
J21: Top Overlay "1" at 97.3,8.9 h1 r90
J22: Top Overlay "20" at 1.6,90.5 h1.27 r90; Top Overlay "19" at 11.4,88.3 h1.27 r90; Top Overlay "1" at 11.5,55.8 h1.27 r90; Top Overlay "2" at 2.2,55.2 h1.27 r90
J24: Top Overlay "1" at 97.3,15.9 h1 r90